# KiCad board Rogelio Pineda part 3-AMLDC-2044B.kicad_pcb (continued)
## Routing (per net, layer and track width the routed paths; a pad name or vN(x,y) marks a point on that pad's centre or on a via; arc(x,y) is an arc through that point) (continued)
K7p13: length 9.3
  Top w0.15: 387.3,211.63 386.61,213.42 385.66,214.62 385.17,215.21 384.25,216.03 383.65,216.8 383.44,217.15 382.97,217.97 UK7.13
K8p1: length 54
  Top w0.15: UK8.1 416.31,210.47 416.49,209.47 416.55,208.6 416.83,206.14 417.02,204.83 417.29,203.41 417.74,200.8 418.12,199.54 418.48,198.2 418.73,197.07 419.08,195.86 419.89,192.6 420.4,190.15 420.82,188.88 421.16,186.91 421.75,185.04 422.3,182.91 422.83,181.24 423.23,179.33 423.4,178.44 423.55,177.71 424.47,174.58 424.56,173.8 424.75,173.13 424.71,173.14 424.96,172.32 425.33,171.32 425.2,170.83 425.2,170 425.82,169.05 426.35,168.04 427.04,167.5 427.51,167.3 428.42,166.85 429.07,166.74 430.2,166.65 431.48,167.19 432.28,168.29 432.82,170
K8p4: length 55.2
  Top w0.15: UK8.4 423.79,210.04 423.95,207.22 424.01,205.95 424.47,197.24 424.8,194.95 424.89,192.67 424.87,192.36 425.09,189.63 425.28,188.15 425.44,186.05 425.9,182.22 426.44,180.9 427.21,179.33 427.97,178.26 428.42,177.72 429.22,176.85 430.62,175.18 431.21,174.55 432.18,173.5 433.11,172.65 433.44,172.15 433.89,171.45 434.28,170.08 433.91,168.18 433.3,167.34 432.94,166.82 432.15,165.85 431.29,165.46 430.12,164.85 429.48,164.51 428.8,163.78 427.74,162.38
K8p13: length 5.3
  Top w0.15: UK8.13 418.45,218.08 418.3,217.51 418.11,216.61 417.96,216.18 417.51,214.98 417.23,214.46 417.23,214.45 v1(417.25,214.43) 417.23,214.41 417.23,214.27
L0p3: length 80.9
  Top w0.25: UL0.3 119.13,174.23 119.18,167.88 119.89,165.99 120.24,164.3 120.3,164.23 UM0.3 119.34,160.75 115.89,158.76 113.8,156.51 UN0.13 113.75,152.01 114.38,149.63 114.25,147.46 114.25,142.45 114.41,140.23 114.28,138.58 114.36,124.25 114.36,122.77 114.91,121.98 UP0.3 114.44,116.36 114.52,107.2 114.57,105.56 UR0.3
L0p6: length 80.1
  Top w0.25: UL0.6 127.71,177.31 126.74,173.64 126.8,167.82 126.96,167 127.26,165.57 127.92,163.94 UM0.6 127.41,160.58 122.41,156.15 122.18,155.84 121.87,155.05 121.58,149.03 120.82,147.25 UN0.5 121.69,141.99 121.99,138.96 121.88,123.82 122.45,122.45 UP0.6 122.41,117.22 121.8,114.46 121.83,114.43 121.83,107.38 122.14,105.6 UR0.6
L0p8: length 80.6
  Top w0.25: UR0.8 124.63,115.06 124.38,118.14 124.38,124.86 UP0.8 124.6,136.72 124.28,139.83 124.31,150.96 UN0.9 123,155.42 124.6,156.81 125.85,157.78 127.96,159.39 129.28,161.27 129.34,164.3 129.3,167.51 129.61,168.8 129.93,169.52 UM0.8 130.06,173.07 129.38,175.38 129.44,182.19 129.41,184.36 UL0.8
L0p10: length 7.6
  Top w0.25: UL0.10 UL0.5
L0p11: length 78.8
  Top w0.25: UL0.11 122.33,184.72 122.01,182.93 121.78,180.91 121.88,174.57 122.35,173.27 122.65,171.88 122.84,171.69 UM0.11 122.18,168.94 121.91,168.37 121.68,168 121.72,161.38 121.71,161.37 121.11,159.46 118.05,155.13 UN0.11 117.35,151.82 116.83,150.05 116.68,147.38 116.79,138.31 116.85,138.25 116.95,132.7 118,129.19 UP0.11 116.88,126.03 116.9,116.2 117.03,115.65 117.2,114.06 117.9,112.29 UR0.11
L0p13: length 7.7
  Top w0.25: UL0.13 117.87,184.2 117.95,184.12 117.87,184.05 UL0.2
L1p3: length 33.6
  Top w0.15: UN1.2 151.03,147.41 151.35,147.81 151.39,148.88 151.85,150.25 152.1,153.05 152.21,154.7 152.21,157.53 152.57,159.29 152.96,160.43 UM1.3 152.82,164.45 152.46,165.46 152.28,166.42 152.18,167.57 152.18,168.36 152.2,173.37 152.28,174.35 152.57,176.14 152.86,177.11 UL1.3
L1p10: length 50.4
  Top w0.15: 161.37,144.47 161.34,144.57 ; 161.34,144.57 161.15,145.05 UN1.6 ; 161.34,144.57 161.72,144.04 162.39,143.65 163.14,143.67 163.26,143.68 163.64,143.84 ; 159.59,181.34 159.08,184.32 158.69,185.45 UL1.10 ; 163.64,143.84 163.51,143.79 ; 163.64,143.84 164.14,144.09 164.81,145.02 164.61,149 164.64,149.85 164.58,155.67 163.74,157.45 162.73,158.68 162.18,160.75 162.12,164.77 162.02,164.87 161.96,165.97 161.21,166.81 159.69,168.78 UM1.10 158.69,171.63 159.2,173.22 159.59,175 159.72,176.52 159.57,181.51
L1p11: length 42.1
  Top w0.15: 154.62,156.6 154.71,155.93 154.71,152.74 154.61,152.65 154.61,150.28 ; 154.61,156.52 154.69,159.18 154.61,159.75 154.83,162.23 154.74,162.32 154.74,164.29 154.54,164.63 154.51,164.7 154.51,167 155.05,168.47 155.81,170.42 155.33,172.45 154.94,173.42 154.76,175.89 154.69,175.97 154.69,180.95 154.58,181.06 154.69,181.6 154.76,183.79 155.58,185.76 UL1.11 ; 154.61,150.43 154.51,149.17 153.86,147.88 153.24,147.22 UN1.3
L2p3: length 30.9
  Top w0.15: 199.83,158.57 v1(199.7,158.54) 198.07,158.8 195,158.9 192.42,158.9 190.94,159.46 189.89,160.38 189.29,161.28 UM2.1 189.22,165.3 189.58,166.93 189.91,168.43 189.91,169.96 189.96,170.02 189.96,172.73 190.04,172.8 190.95,174.67 191.31,175.22 193.07,177.31 193.37,179 UL2.3
L2p11: length 19
  Top w0.15: 196.7,195.2 196.57,192.52 196.37,190.14 196.27,189.62 UL2.11 ; 200.03,204.34 v1(200,204.44) 198.26,202.71 198.26,202.61 196.99,200.06 196.69,195
L3p3: length 78.6
  Top w0.15: UL3.3 233.97,179.18 233.54,178.02 233.2,177.32 232.82,175.92 232.75,175.16 232.76,171.96 ; UR3.3 233.67,104.71 233.55,104.96 233.05,106.73 232.86,107.62 232.79,108.72 232.76,110.09 232.82,112.57 232.79,113.69 232.99,117.44 233.9,119.75 UP3.3 233.49,122.23 232.75,123.82 232.64,126.21 232.73,127.22 232.74,128.26 232.73,128.68 232.73,134.91 232.7,134.94 232.77,145.57 232.86,148 232.93,149.47 232.98,150.59 232.19,153.11 UN3.13 231.53,153.73 231.82,155.56 232.05,156.34 232.82,158.37 233.21,159.41 233.94,161.73 233.9,161.77 UM3.3 233.77,163.94 233.43,164.28 233.04,165.35 232.76,166.71 232.76,172.11
L3p6: length 79.2
  Top w0.15: UR3.6 241.68,102.85 241.27,104 241.15,104.36 240.51,107.52 240.4,108.57 240.28,109.91 240.15,113.8 240.1,115.16 240.37,117.27 240.75,118.79 UP3.6 241.62,121.42 241.07,122.42 240.54,124.21 240.28,125.23 240.11,127.79 240.19,128.21 240.25,137.96 240.29,139.68 240.21,142.05 239.92,142.9 239.75,143.85 239.45,144.64 UN3.5 239.36,147.48 239.61,148.26 239.91,149.13 240.27,150.04 240.34,150.28 240.25,151.33 240.21,153.33 240.28,155.22 240.28,154.86 240.26,159.29 240.89,161.14 UM3.6 241.52,163.48 240.88,163.92 240.37,165.68 240.34,165.71 240.27,168.43 240.18,169.48 240.28,171.14 240.22,172.72 240.21,175.76 240.97,177.72 UL3.6
L3p8: length 78.2
  Top w0.15: UR3.8 243.89,112.29 243.13,115.2 243.06,116.21 242.93,116.72 242.85,119.33 242.67,124.98 243.24,126.72 UP3.8 243.58,131.7 243.34,133.62 243,136.81 242.98,138.65 242.92,140.44 242.82,141.15 242.81,144.69 242.74,145.56 242.76,150.27 242.01,152.54 UN3.9 241.56,154.99 241.76,155.52 242.01,156.27 242.67,159.56 242.76,162.3 242.77,163.9 242.73,165.12 242.76,165.92 242.71,166.34 243.27,168.26 UM3.8 244.06,171.04 243.31,171.89 243.04,173.59 242.73,174.56 242.8,176.22 242.83,177.47 242.88,177.52 242.83,183.23 243.43,185.17 UL3.8
L3p10: length 7.6
  Top w0.15: UL3.5 239.07,184.76 239.05,184.78 239.07,184.81 UL3.10
L3p11: length 78.2
  Top w0.15: UR3.11 236.54,111.9 236.34,112.37 235.99,113.63 235.7,115.05 235.41,116.98 235.31,118.18 235.26,124.94 235.9,127.29 UP3.11 236.33,130.03 236.16,130.35 235.73,134.86 235.6,135.67 235.51,138.44 235.45,139.33 235.34,144.34 235.25,149.38 235.39,151.04 UN3.11 236.48,155.09 236.15,155.5 235.69,157.6 235.26,159.31 235.3,165.13 235.34,165.78 235.34,167.16 235.97,169.05 UM3.11 236.22,170.47 236.22,171.46 235.38,173.03 235.24,174.7 235.27,176.46 235.28,183.74 235.6,185.25 235.9,186.1 UL3.11
L3p13: length 7.7
  Top w0.15: UL3.2 231.71,181.63 231.57,184.95 231.71,186.57 UL3.13
L4p3: length 59.2
  Top w0.15: 264.12,128.91 264.04,131.43 263.9,131.66 263.67,134.3 263.24,136.43 263.13,138.8 263.2,140.18 263.32,140.77 263.56,142.11 263.76,142.96 263.9,145.86 UN4.2 263.83,146.8 264.92,148.54 265.1,150.26 265.15,151 265.19,151.81 265.23,156.33 265.18,156.81 265.21,157.35 265.37,158.99 266.06,160.9 UM4.3 266.69,163.17 266.53,164.08 267.56,167.33 267.57,171.54 267.74,171.7 267.69,172.73 267.63,173 267.63,175.95 267.75,176.64 268.11,179.66 267.49,182.24 267.08,183.62 266.6,185.82 UL4.3
L4p4: length 74.8
  Top w0.15: UL4.4 269.37,184.4 269.52,183.94 269.82,181.3 270.02,180.25 270.15,174.35 270.17,174.33 270.17,171.58 270.19,171.56 270.19,171.15 ; UN4.7 276.03,147.16 275.71,148.34 274.05,150.02 274.05,150.23 273.78,149.96 273.43,149.96 272.92,149.18 272.74,147.94 272.79,147.64 272.7,147.51 272.62,146.13 272.72,143.23 272.7,143.21 273.02,141.02 273.5,138.12 274.1,136.21 274.53,133.85 274.7,133.06 275,131.36 275.13,130.72 275.13,129.11 275.06,129.04 275.19,128.35 275.21,125.2 274.81,123.87 274.61,123.16 274.25,122.17 274.18,120.88 UP4.6 ; 270.19,171.47 270.1,170.89 270.17,168.21 269.52,164.96 269.22,163.65 UM4.4 269.44,161.51 269.82,161.1 271.33,159.17 271.91,158.2 272.47,156.98 272.64,154.25 272.57,153.97 272.68,152.62 273.28,151.29 273.37,150.92 273.93,150.11
L4p10: length 75.2
  Top w0.15: 274.44,141.72 274.01,144.57 UN4.6 ; UL4.10 272.22,192.61 272.36,192.01 272.7,190.97 272.7,183.25 272.52,180.45 272.42,177.49 272.18,175.69 272.13,174.12 271.74,172.09 UM4.10 272.06,169.37 272.82,168.72 274.02,167.49 275.07,165.47 275.12,159.95 275.12,153.56 275.09,153.53 275.16,151.46 275.68,150.52 277.36,149.23 277.8,148.05 277.74,145.31 277.68,144.25 277.68,144.14 276.95,143 275.41,142.44 274.55,141.99 274.48,141.66 274.69,140.43 275.09,136.67 275.52,134.28 275.86,131.77 276.03,131.17 276.15,130.36 276.42,129.79 UP4.10
L4p11: length 49.2
  Top w0.15: UL4.11 268.84,193.08 268.38,192.09 267.96,190.39 267.85,189.34 267.85,188.65 267.91,184.35 268.35,182.88 268.87,180.84 269.06,179.88 269.15,178.45 269.12,178.42 269.26,177.13 269.34,176.33 269.26,175.8 269.1,172.74 268.69,171.37 UM4.11 268.91,169.36 268.82,168.23 268.37,166.77 268.07,165.58 267.89,164.97 267.72,164.48 267.68,164.17 267.47,161.93 267.72,159.82 267.75,157.91 267.75,152.52 267.72,151.95 267.51,150.23 267.22,149.09 267.12,148.45 266.66,147.32 UN4.3
L4p12: length 5
  Top w0.15: 266.42,199.26 266.45,199.23 266.45,199.19 v1(266.42,199.16) 266.45,199.13 UL4.12
L4p13: length 42.4
  Top w0.15: UM4.13 263.89,170.53 264.38,173.65 264.65,175.09 264.85,176.33 265.29,178.19 265.62,180.37 265.77,181.36 265.67,182.96 265.3,184.54 265.3,190.18 265.2,191.25 265.1,191.85 264.74,192.93 UL4.13 263.91,211.62 263.91,211.62 v1(263.91,211.76) 263.77,211.76 263.7,211.83
L6p12: length 37.2
  Top w0.15: 345.52,178.87 345.91,179.97 346.47,181.61 346.75,182.24 346.99,183.2 347.17,183.63 347.44,184.37 347.82,185.18 347.84,186.26 UL6.12 348.06,187.75 348.23,188.4 348.25,189.09 348.43,189.9 348.48,190.84 348.62,192.15 348.65,192.46 348.69,192.92 348.84,193.9 348.97,194.79 349.08,195.63 349.19,195.99 349.3,196.57 349.33,197.53 349.44,198.6 349.35,199.32 349.52,199.5 ; 349.52,199.5 349.57,199.54 v1(349.52,199.54) 349.52,199.5 ; 354.5,182.79 353.99,182.98 348.37,183.15 347.91,183.11 346.95,183.06 ; 354.5,182.79 354.35,182.39 354.16,181.83 353.84,181.18 353.61,180.37 353.41,180.16 353.26,179.7 353.14,178.87 ; 354.5,182.79 354.7,183.36 354.91,183.98 354.96,184.3 355.09,184.69 355.36,185.33 355.45,185.66 355.68,186.49
L7p1: length 17.9
  Top w0.15: UL7.1 379.73,177.4 379.99,176.46 380.49,175.01 381.02,173.96 381.47,172.71 382.1,171.48 382.38,170.31 381.87,169.81 381.9,168.76 380.91,165.93 380.56,164.84 380.34,164.26 380.34,164.16 380.11,163.63 379.33,162.19
L7p6: length 26.6
  Top w0.15: UL7.6 391.95,177.31 391.53,176.52 391.51,175.93 391.3,175 390.75,173.62 390.69,172.92 390.69,166.2 390.59,165.67 390.77,161.99 390.57,161.76 390.29,160.71 389.84,159.71 389.59,158.97 389.25,158.36 388.72,157.43 387.94,156.12 387.62,155.4 387.13,154.33 386.95,153.34
L7p10: length 16.8
  Top w0.15: 389.63,203.17 389.61,203.14 389.61,203.03 v1(389.66,202.98) 389.61,202.93 389.61,187.91 389.54,187.85 UL7.10
L7p11: length 14.6
  Top w0.15: UL7.11 387,187.89 387.23,188.12 387.23,200.74 v1(387.18,200.79) 387.23,200.84 387.23,200.87
L7p12: length 25.2
  Top w0.15: UL7.12 384.75,187.62 384.72,188.28 384.76,211.63
L7p13: length 11.3
  Top w0.15: UL7.13 382.24,188.12 382.72,189.7 382.72,190.23 382.85,191.82 383.03,193.11 382.95,194.43 v1(383.01,197.49) 383.11,197.52
M0p10: length 7.6
  Top w0.25: UM0.10 UM0.5
M0p13: length 7.6
  Top w0.25: UM0.2 118.01,164.78 117.95,168.7 UM0.13
M2p2: length 12.7
  Top w0.15: UM2.2 191.76,161.17 192.34,160.77 193.14,160.38 195.12,160.1 195.85,160.17 197.15,160.16 200.13,160.33 200.78,160.31 201.62,159.99 v1(202.38,159.72) 202.48,159.62
M3p10: length 7.7
  Top w0.15: UM3.5 238.98,168.63 239.04,168.7 238.98,168.76 UM3.10
M3p13: length 7.6
  Top w0.15: UM3.2 231.49,167.85 231.44,168.88 231.49,169.24 UM3.13
M5p5: length 12.4
  Top w0.15: UM5.5 308.97,162.34 309.12,161.63 309.46,160.83 309.55,160.63 309.81,160.31 310.53,159.52 310.96,159.18 311.22,158.94 312.08,158.27 312.72,157.81 313.55,157.28 313.94,156.97 314.54,156.42 314.79,156.18 315.28,155.62 315.39,155.5 315.97,154.89 316.12,153.97 316.56,153.53
M6p8: length 23.3
  Top w0.15: 345.47,153.49 345.66,154.65 346.49,156.13 347.52,156.43 347.77,156.52 348.83,156.66 349.83,156.87 350.51,157.14 351.13,157.53 351.29,157.98 351.45,158.48 351.68,159.29 351.86,160.69 351.95,164.54 352.45,165.43 352.71,165.8 353.35,166.53 353.92,166.95 354.95,167.35 356.46,168.44 356.95,168.85 UM6.8
M6p12: length 28.5
  Top w0.15: 343.6,196.91 343.64,196.87 v1(343.64,196.8) 343.71,196.8 343.86,196.25 344.29,194.36 344.48,193.55 344.64,192.99 344.66,192 344.63,191.3 344.63,188.62 344.44,188.43 344.44,187.48 344.44,187.47 344.44,183.48 344.52,180.97 344.55,181.03 344.22,180.74 344.55,177.02 344.6,176.4 344.87,175.87 345.19,175.2 345.46,174.83 346.02,173.98 346.54,173.26 346.97,172.74 347.69,171.57 347.89,171.12 UM6.12
M7p3: length 39.7
  Top w0.15: UM7.3 385.17,163.72 385.63,164.69 385.88,165.78 386.08,166.19 386.41,167.65 386.8,168.39 386.95,169.81 386.95,171.35 386.78,171.79 386.61,172.25 386.32,173.9 385.91,175.26 385.66,175.83 385.47,176.85 384.46,178.81 384.23,179.04 384.06,179.98 383.23,181.08 382.96,181.49 381.97,182.73 381.62,183.38 380.77,184.97 380.77,187.45 380.97,187.66 380.97,188.23 381.05,188.32 381.05,199.32 381.09,199.36 v1(381.19,199.36) 381.19,199.46 381.12,199.39
M7p6: length 9.3
  Top w0.15: UM7.6 392.03,161.24 391.82,160.81 391.52,160.22 390.82,158.07 390.39,156.72 390.05,155.89 389.77,155.21 389.49,154.45 389.49,153.34
M7p8: length 17
  Top w0.15: UM7.8 394,168.53 393.59,167.51 393.41,166.89 393.19,166.45 393.07,165.79 392.95,164.38 393.03,163.62 393.18,161.21 393.04,159.87 393.07,158.9 393.04,157.86 392.73,156.82 392.47,156 392.03,154.94 392.03,153.34
N0p2: length 13.7
  Top w0.25: 111.88,159.42 111.85,159.38 v1(111.72,159.38) 111.72,159.26 111.71,159.25 111.7,149.17 112.76,147.38 UN0.2
N0p4: length 25.6
  Top w0.25: UN0.4 118.24,143.88 118.89,141.57 119.76,134.9 120.1,132.75 UP0.10 UP0.5
N1p4: length 13.8
  Top w0.15: 156.26,159.8 v1(156.23,159.8) 156.17,157.53 156.08,156.4 155.99,155.65 155.77,154.92 155.78,154.89 UN1.13 155.83,152.67 155.9,150.83 155.93,147.31 UN1.4
N1p7: length 36.1
  Top w0.15: UN1.7 162.75,147.68 162.31,148.17 162.14,148.49 161.43,149.09 160.91,149.68 159.89,150.49 159.77,151.68 159.46,157.45 ; 159.39,157.5 158.76,158.85 158.49,159.47 157.61,160.65 157.09,161.36 UM1.4 156.78,165.75 157.22,167.37 157.31,168.34 157.24,168.93 157.11,171.85 157.11,173.47 157.15,173.5 157.15,175.67 156.82,177.05 156.47,177.97 155.81,178.79 UL1.4
N2p5: length 19.6
  Top w0.15: UP2.14 191.55,129.55 191.71,130.36 192.09,131.73 193.6,134.65 C69.1 195.01,137.99 195.48,138.77 196.73,141.77 197.97,143.96 UN2.5
N2p9: length 51.4
  Top w0.15: 205.08,109.75 205.04,109.78 ; 205.04,109.78 205.04,106.63 204.72,105.99 204.37,104.95 203.79,103.67 UR2.7 ; 205.04,109.78 205.04,118.43 205.11,118.5 205.11,124.6 205.08,124.64 205.08,135.06 205.18,146.01 205.18,150.58 205.9,152.59 UN2.9
N2p10: length 52.6
  Top w0.15: UN2.10 203.35,152.95 202.91,151.43 202.61,150.22 202.49,148.23 202.51,148.14 202.58,141.97 202.7,141.86 202.63,141.79 202.56,136.81 201.68,135.14 201.05,133.84 199.99,131.81 200.01,129.88 199.85,129.12 199.9,129.07 199.9,121.5 199.85,121.45 199.94,121.36 200.13,118.76 201.12,116.54 201.86,114.85 202.49,112.49 202.49,107.53 202.35,106.56 202.1,105.54 201.72,104.45 201.25,103.76 UR2.6
N2p13: length 7.8
  Top w0.15: UN2.4 196.37,148.43 196.2,148.6 196.2,153.56 UN2.13
N2p15: length 52.2
  Top w0.15: UN2.15 191.91,152.56 192.42,149.23 192.53,148.66 192.56,144.27 192.31,143.15 192.07,141.69 190.72,138.26 189.67,133.84 189.24,131.44 189.22,126.69 189.33,120.71 190.31,118.43 190.79,117.17 191.69,115.53 192.39,112.75 192.51,111.67 192.58,109.14 192.6,108.9 192.79,105.96 193.35,104.66 193.51,103.07 UR2.3
N2p16: length 51.9
  Top w0.15: UN2.16 189.13,152.84 189.92,150.83 190.23,147.29 190.18,147.24 190.18,144.33 190.23,144.28 190.1,142.95 190.02,141.85 189.21,139.54 188.53,137.37 188.27,132.35 188.22,130.8 188.22,126.12 188.29,126.04 188.19,125.93 188.24,118.19 189.11,115.65 189.65,114.47 190,113.4 189.97,110.94 190,109.37 190,106.09 190.65,104.34 UR2.2
N3p1: length 13.3
  Top w0.15: 229.38,158.42 v1(229.27,158.54) 229.61,157.23 229.89,156.34 230.01,155.49 230.18,154.55 230.23,149.74 230.21,149.09 229.98,148.4 228.86,147.06 UN3.1
N4p12: length 52.3
  Top w0.15: UP4.2 264.24,121.1 264.31,122.19 264.73,123.58 265.15,124.57 265.41,124.92 265.41,125.57 265.99,126.73 UP4.14 266.26,129.15 266.06,129.76 266.03,131.2 265.97,131.51 265.77,133.77 265.7,134.14 265.4,135.34 265.28,136.49 C55.2 265.99,138.26 266.56,138.64 267.84,139.71 269.19,141.13 269.54,141.82 270.16,142.97 270.26,146.34 270.31,146.39 270.44,150.55 271.26,152.61 271.33,153.43 UN4.12 ; 272.53,123.68 271.96,122.56 271.67,120.91 UP4.5 ; 272.45,123.56 272.56,123.73 272.87,124.49 272.87,124.42 272.87,125.05 ; 272.87,125.05 273.23,125.72 273.41,126.37 273.44,126.53 273.66,126.82 273.84,127.21 273.99,128.08 UP4.11 ; 272.87,125.05 272.69,125.23 270.35,125.23 269.93,125.2 269.6,125.19 268.29,125.23 267.91,125.2 267.16,125.16 266.4,125.18 266.24,125.2 265.41,125.22
N4p13: length 7.9
  Top w0.15: UN4.4 269.1,146.13 269.2,150.84 ; 269.22,150.66 UN4.13
N5p1: length 13.7
  Top w0.15: UN5.1 299.1,147.04 299.31,147.72 299.56,148.55 299.66,149.27 299.85,150.27 300.15,152.8 300.01,156.82 v1(300.05,159.25) 300.05,159.34 300.11,159.28
N5p2: length 57.2
  Top w0.15: 313.67,110.33 313.54,111.96 313.4,112.66 313.38,113.14 v1(313.39,114.35) 313.45,114.4 312.44,116.08 312.51,117.8 312.57,122.89 312.39,123.62 312.52,125.52 312.55,134.25 312.47,134.93 312.37,137.39 311.93,138.31 311.85,138.47 311.22,139.35 310.76,139.76 309.46,140.69 306.44,142 305.99,142.13 304.07,142.73 303.73,142.87 302.51,143.62 301.95,144.16 301.7,144.83 301.53,145.7 UN5.2 301.32,146.63 302.58,147.74 302.89,148.01 303.41,148.32 304.19,148.66 305.12,148.91 305.54,149.06 306.07,149.14 307.36,149.17 ; 314.82,149.94 v1(314.82,149.97) 314.26,149.83 314.03,149.8 313.24,149.67 311.22,149.45 310.35,149.45 309.6,149.35 308.82,149.32 307.32,149.17
N5p10: length 18
  Top w0.15: UN5.10 313.53,154.02 313.38,154.76 312.91,155.36 312.81,155.63 312.33,156.1 311.91,156.3 311.47,156.62 310.63,156.96 309.2,157.72 308.36,158.35 307.94,159.07 307.86,159.31 307.49,160.56 307.44,164.67 307.58,165.44 307.86,165.85 308.58,165.96 309.24,165.87 309.56,165.59 309.84,165.16 v1(309.86,165.14) 309.89,165.16 309.96,165.16
N5p15: length 13.2
  Top w0.15: UN5.15 301.21,152.27 301.01,151.75 300.93,151.15 300.72,150.46 300.5,149.2 300.17,148 299.99,142.75 299.85,141.5 v1(299.85,140.57) 299.85,140.51 299.81,140.46
N6p10: length 11.1
  Top w0.15: 345.47,145.87 345.47,146.06 346.43,147.24 347.29,148.02 347.63,148.19 349.15,149.09 350.25,149.63 351.54,150.84 351.73,151.27 352.44,152.34 UN6.10
P0p13: length 7.6
  Top w0.25: UP0.13 UP0.2
P1p12: length 81.8
  Top w0.15: 151.94,77.64 152.29,77.41 153.12,76.45 UT1.12 153.09,74.39 153.37,74.07 152.44,71.69 152.26,70.86 151.9,69.78 151.47,68.6 151.01,67.86 UT1.2 ; 151.94,77.64 150.47,78.64 149.59,79.24 149.04,79.6 148.09,80.44 147.69,80.86 147.15,81.62 146.84,82.54 146.81,83.74 146.84,83.77 146.84,95.49 146.91,95.56 146.86,112.58 147.37,113.95 147.9,114.81 148.13,115.29 148.78,116.35 149.52,117.59 149.9,118.33 UP1.2 151.21,122.3 151.54,123.28 152.05,124.9 152.43,125.79 UP1.12 153.99,126.6 154.42,125.18 155.08,123.28 ; 151.94,77.64 152.23,77.35 ; 155.08,123.28 155.28,122.8 155.36,122.32 ; 155.08,123.28 162.04,123.28 v1(162.06,123.31) 162.09,123.28 162.21,123.28 ; 155.35,122.4 UP1.4
P1p13: length 64.8
  Top w0.15: UP1.13 149.6,125.02 148.69,122.4 148.76,121.92 UP1.1 147.85,117.65 146.92,116 146.5,114.7 145.78,112.45 145.53,109.34 145.5,99.68 145.65,88.26 145.6,85.37 ; UT1.1 148.68,68.44 148.89,69.03 149.04,69.61 149.35,70.26 149.59,70.85 149.96,71.72 150.37,73.15 150.76,73.81 UT1.13 150.79,75.87 150.58,76.31 149.72,77.23 148.8,77.87 146.83,79.13 146.24,80.06 145.88,80.6 145.51,82.61 145.58,83.75 145.57,84.71 145.6,85.37 ; 145.6,85.37 145.63,85.27
P2p3: length 14.3
  Top w0.15: 197.23,106.8 197.3,106.87 v1(197.3,106.9) 197.33,106.9 197.43,107 197.43,107.92 197.46,107.95 197.46,111.2 197.43,111.23 197.43,117.62 196.92,119.55 UP2.3
P2p5: length 10.5
  Top w0.15: UP2.5 201.82,118.93 202.78,117.38 203.33,115.14 203.56,114.61 UR2.10
P2p6: length 11.2
  Top w0.15: 202.55,131.38 v1(202.53,131.42) 202.58,122.8 202.74,122.36 203.02,121.96 203.26,121.54 203.7,120.75 UP2.6
P2p11: length 21.9
  Top w0.15: 197.68,119.82 197.45,121.21 197.49,121.25 197.49,125.53 197.76,126.17 UP2.11 ; 199.91,107.16 v1(199.91,107.39) 199.91,115.33 197.65,119.74
P2p13: length 15.1
  Top w0.15: UP2.13 194.15,127.05 194.52,125.63 194.93,124.62 v1(195,113.53) 195.06,113.36
P3p10: length 7.7
  Top w0.15: UP3.5 239.08,122.01 238.86,122.23 UP3.10
P3p13: length 63.1
  Top w0.15: UT3.13 231.8,73.13 231.94,69.01 UT3.2 ; UT3.13 231.68,73.82 ; UT3.13 231.56,75.7 231.29,76.86 230.97,78.11 230.62,79.42 230.38,80.19 230.4,80.21 230.4,80.29 v1(230.35,80.34) 230.4,80.4 230.4,84.28 230.12,84.56 230.12,84.89 ; 231.44,119.8 231.13,119.03 230.99,118.29 230.82,117.75 230.51,116.31 230.44,115.74 230.28,115.02 230.28,106.85 230.3,106.77 230.37,101.85 230.14,97.17 229.99,92.42 230.04,90.81 230.08,84.89 230.12,84.89 ; 231.44,119.8 UP3.2 231.55,125.12 231.53,126.85 231.46,127.73 UP3.13 ; 231.44,119.8 231.35,119.46 ; 230.12,84.89 230.14,84.87
P5p2: length 6.4
  Top w0.15: UP5.2 301.39,121.58 301.94,122.63 302.47,123.32 302.91,123.86 304.21,125.14 304.47,125.36 v1(304.76,125.77) 304.84,125.77 304.85,125.78
P5p9: length 6.9
  Top w0.15: UP5.9 311.29,129.32 311.27,129.64 310.97,134.6 311.08,135 v1(311.08,135.04) 311.04,135.04 311.11,134.97
P5p10: length 6.8
  Top w0.15: UP5.10 308.66,129.47 308.62,130.53 308.62,132.13 v1(308.54,134.97) 308.47,135
P5p12: length 6.9
  Top w0.15: UP5.12 303.81,129.65 303.94,130.19 303.84,131.92 303.74,132.44 303.66,133.27 303.66,135 v1(303.59,135) 303.59,135.06 303.64,135.02
P5p13: length 7
  Top w0.15: 301.05,135.27 301.05,135.13 v1(301.02,135.11) 301.05,135.09 301.2,130.88 301.32,129.82 301.27,129.63 UP5.13
P6p1: length 49.3
  Top w0.15: 342.91,124.51 342.89,124.53 v1(342.98,124.53) 342.98,124.44 343.18,124.24 343.18,121.52 342.88,121.22 UP6.1 342.88,119.57 343.24,119.04 343.4,117.89 343.63,116.77 344.03,114.32 344.26,113.46 344.31,112.46 344.3,111.5 344.3,107.08 344.17,106.8 344.1,106.32 343.79,104.75 343.57,103.85 343.44,103.47 343.24,102.66 342.93,101.29 343.52,100.24 343.87,99.48 343.89,98.74 344.18,97.66 344.25,97.38 344.25,94.49 344.3,92.89 344.25,91.65 344.21,90.72 343.95,89.51 343.66,88.12 343.53,86.72 342.88,86.06 343.37,84.82 343.67,84.21 343.9,83.42 344.2,82.7 344.31,76.82 344.28,76.79
P6p12: length 9.2
  Top w0.15: UP6.12 347.96,127.79 348.69,127.22 349.46,125.72 350.2,124.67 350.48,124.23 351.34,122.98 352.3,121.45 353.04,120.33
P7p3: length 50.1
  Top w0.15: 384.11,85.92 384.78,87.17 385.56,88.29 386.05,89.03 386.74,90.1 387.44,91.15 387.78,91.89 388.06,95.08 387.99,95.47 387.99,96.28 387.51,97.38 387.35,97.73 386.5,98.45 385.88,99.04 385.48,99.37 385.18,99.66 384.77,100.07 384.31,101.24 384.95,102.89 385.39,103.51 385.55,103.73 385.94,104.33 386.48,105.06 387.31,106.51 387.97,107.68 388.04,113.03 387.87,113.61 387.62,114.98 387.16,115.89 386.4,117.11 385.81,117.95 385.11,118.99 384.31,119.77 UP7.3 ; 384.11,85.92 384.11,86.53 ; 384.11,85.92 384.89,84.05 385.2,83.37 385.59,81.64 385.62,75.69 385.53,75.61
P7p11: length 21
  Top w0.15: 379.23,108.86 379.65,110.06 380.16,111.17 380.47,111.97 381.97,114.61 382.39,115.47 383.2,117.34 383.15,121.67 383.58,122.64 383.65,122.92 384.09,123.53 384.48,124.08 385.13,124.8 385.37,125.17 386.27,126.48 UP7.11
P7p12: length 9.4
  Top w0.15: UP7.12 384.31,127.17 382.5,125.36 382.1,124.99 381.78,124.59 381.3,124.06 380.26,122.41 380.08,121.75 379.23,120.24
Q1p1: length 43
  Top w0.15: Q1.2 417.61,136.67 417.97,137.14 418.96,138.17 419.99,139.43 420.46,140.29 420.74,140.89 420.91,141.57 421.34,142.51 421.98,143.84 422.39,144.55 422.75,145.28 ; 426.8,120.29 426.4,121.97 426.47,122.58 426.88,123.25 426.88,123.79 425.86,125.05 425.01,126.81 424.82,127.28 424.14,128.9 423.6,130.08 422.83,131.58 422.78,131.63 419.23,131.63 419.23,134.53 419.35,134.64 419.35,135.42 Q1.1 ; 416.6,147.03 418.06,146.52 419.39,146.11 420.59,145.62 422.75,145.28 ; 422.75,145.28 423.18,145.11 423.69,144.53 425.53,143.54 426.92,142.99
Q1p3: length 41.1
  Top w0.15: Q1.3 415.4,137.68 414.82,136.76 414.28,135.13 414.13,134.68 412.88,131.63 412.88,129.01 414.06,127.83 414.06,127.21 416.25,125.02 416.25,106.51 416.35,106.41 v1(416.48,106.41) 416.48,106.28 416.53,106.24 422.43,106.24
R0p13: length 56.2
  Top w0.25: 120.71,100.66 UR0.5 UR0.10 ; 120.71,100.66 120.64,100.59 113.09,100.59 ; 120.71,100.66 120.71,93.81 US0.10 US0.5 ; 113.09,100.59 UR0.2 UR0.13 ; 113.09,100.59 113.09,93.81 US0.13 US0.2